# Altium PCB TempdevAmmy1207.PcbDoc (part 3 of 5)
Units mm, origin at the board's own origin, x right, y up, seen from the top; angles counter-clockwise.
Board outline 80.31 x 100.3 mm, 4 copper layers (Top Layer, S1, S2, Bottom Layer), stack 0.603 mm thick; 947 components, 585 nets, 3026 pads, 277 vias.
Unrouted connection lines stored in the file: 1675.
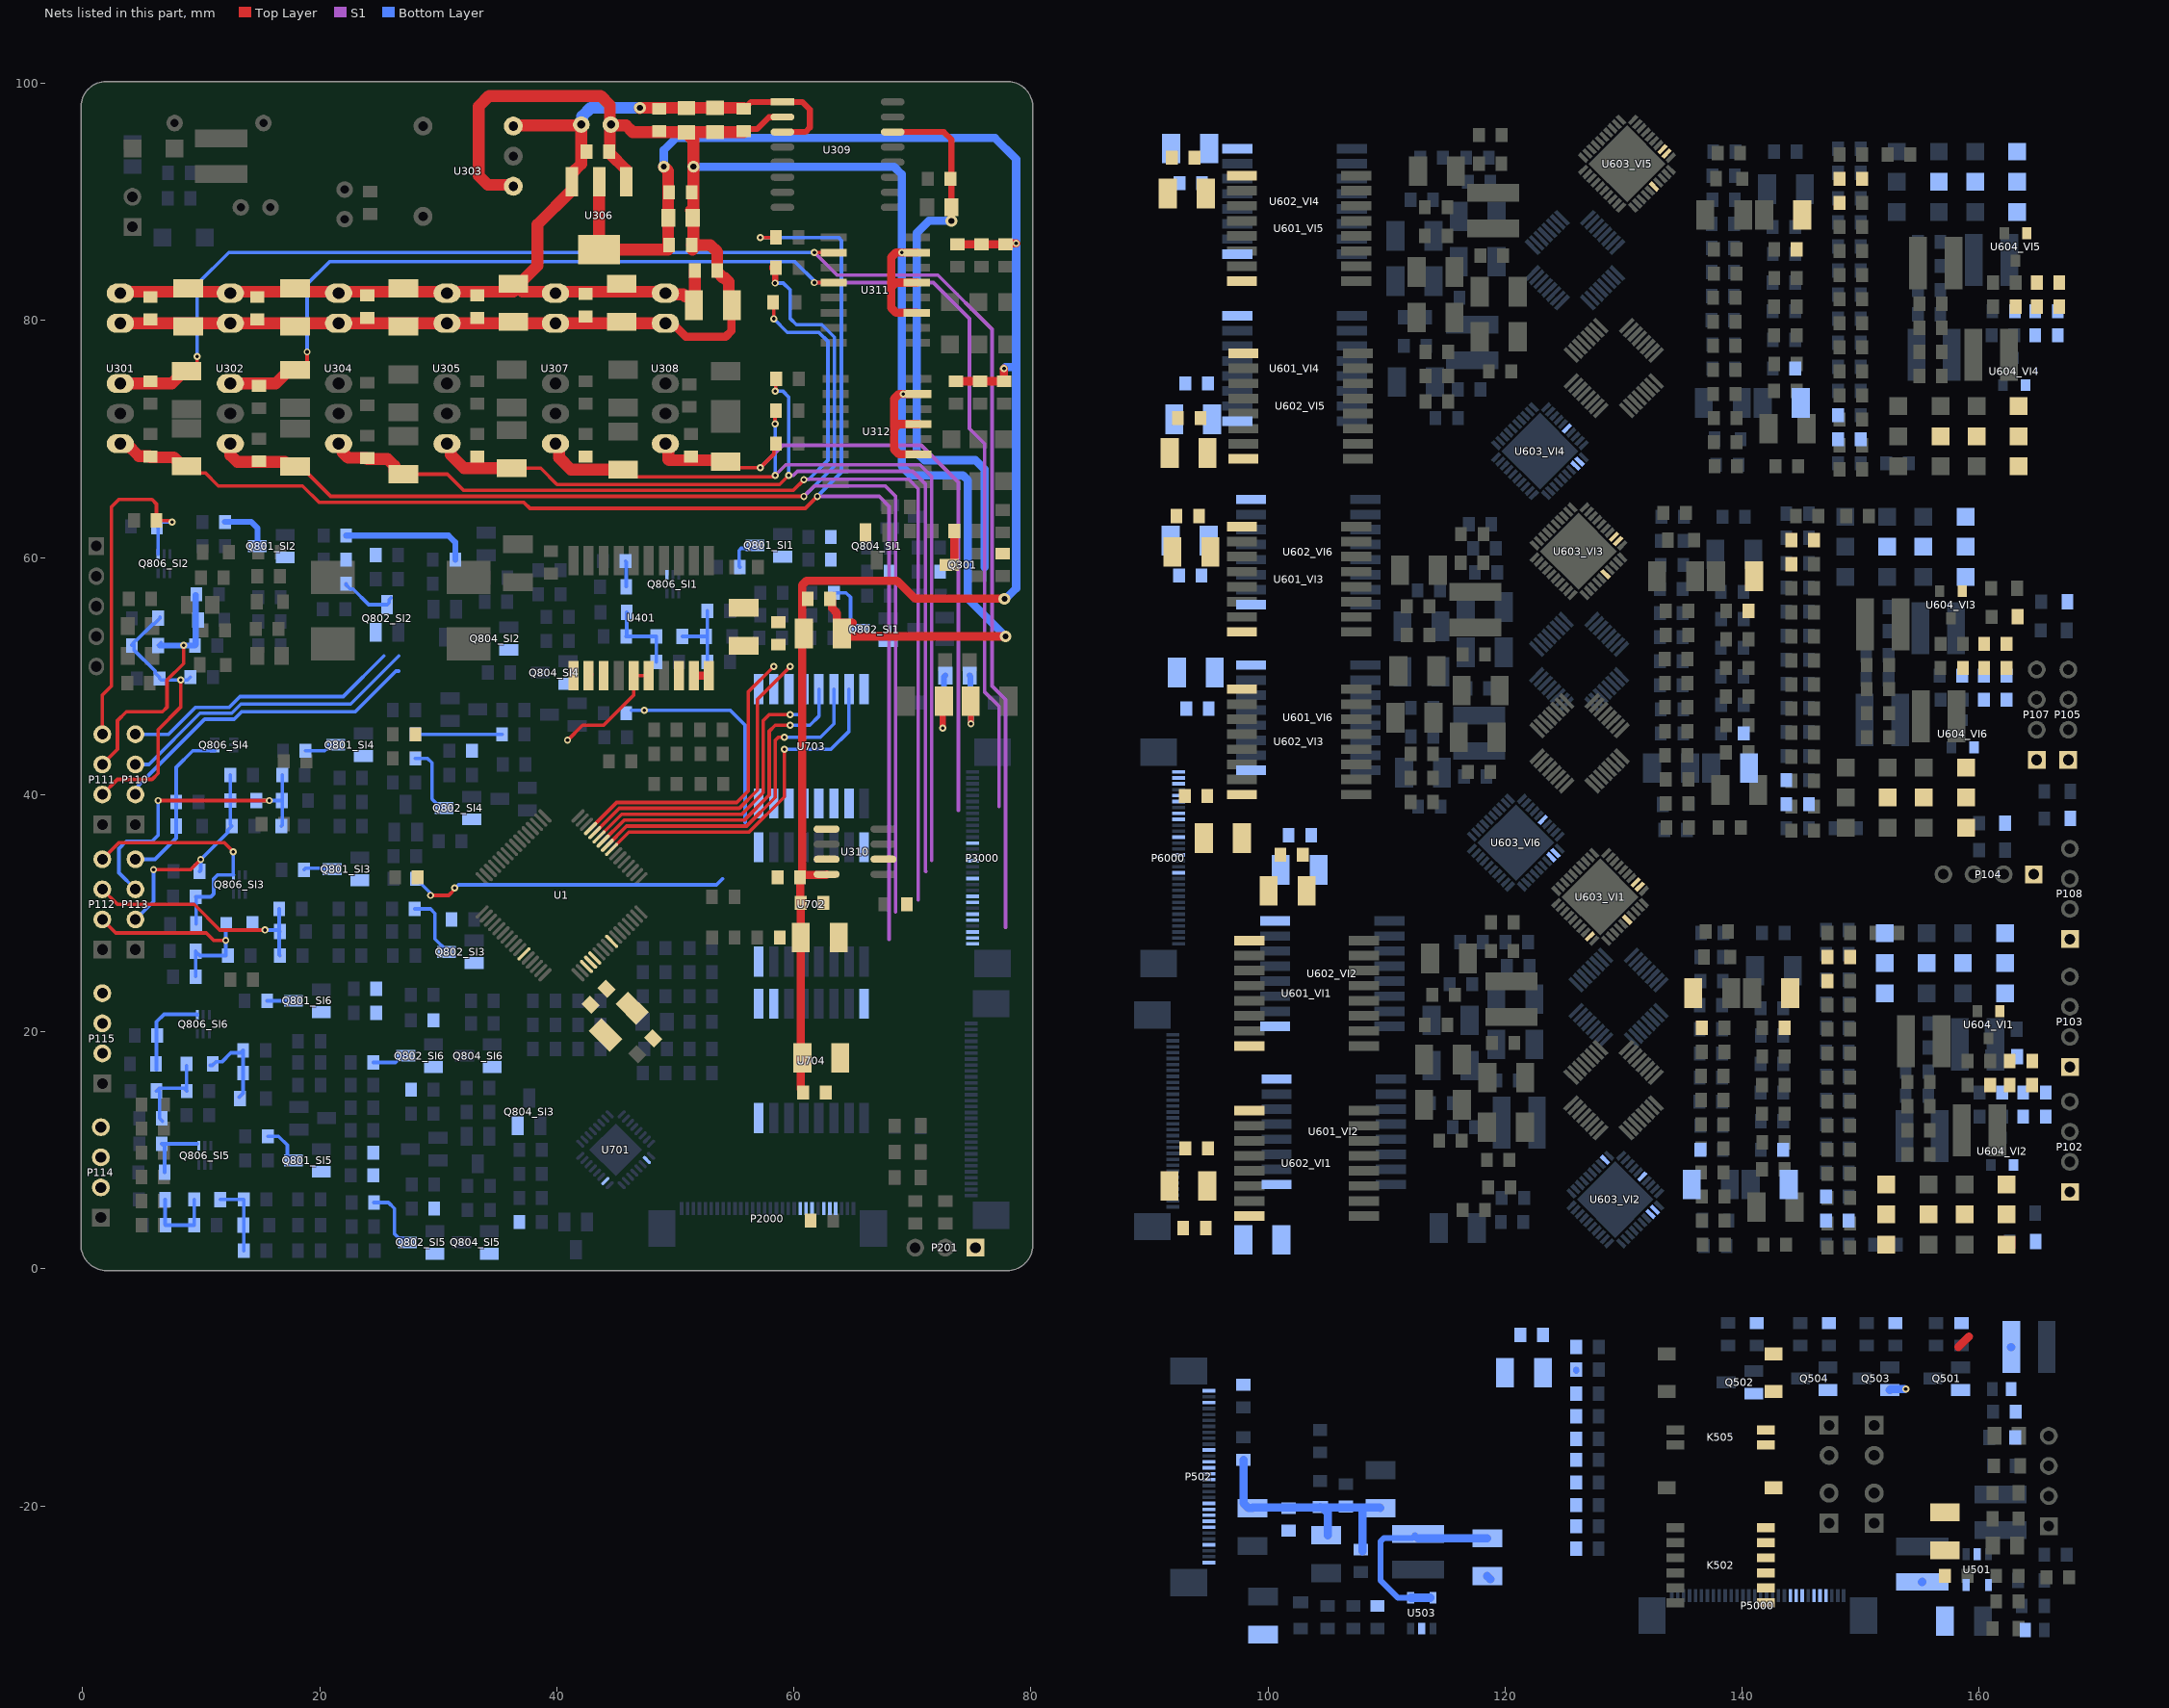
[diagram p4: the nets of this part, all layers, seen from the top]

## Footprints (in the part's own frame and the unit in brackets; to place one, negate y for a bottom-side part, rotate by r counter-clockwise, add the part's x,y. Pads: shape width x height; smd on the part's side, far side on the other; paste and mask are expansions set on the pad)
1.27-6P-TPHS [mil]
  rect 60x30 smd mask+2: 1(0,1.5) 2(0,-48.5) 3(0,-98.5) 4(0,-148.5) 5(0,-198.5) 6(0,-248.5) 7(300,-248.5) 8(300,-198.5) 9(300,-148.5) 10(300,-98.5) 11(300,-48.5) 12(300,1.5)
  silkscreen extent 44,-305 256,58
3-1734839-0 [mm]
  rect 0.3x1.1 smd: 1(1.64,1.778) 2(2.14,1.778) 3(2.64,1.778) 4(3.14,1.778) 5(3.64,1.778) 6(4.14,1.778) 7(4.64,1.778) 8(5.14,1.778) 9(5.64,1.778) 10(6.14,1.778) 11(6.64,1.778) 12(7.14,1.778) 13(7.64,1.778) 14(8.14,1.778) 15(8.64,1.778) 16(9.14,1.778) 17(9.64,1.778) 18(10.14,1.778) 19(10.64,1.778) 20(11.14,1.778) 21(11.64,1.778) 22(12.14,1.778) 23(12.64,1.778) 24(13.14,1.778) 25(13.64,1.778) 26(14.14,1.778) 27(14.64,1.778) 28(15.14,1.778) 29(15.64,1.778) 30(16.14,1.778)
  rect 2.3x3.1 smd: S1(-0.03,0.078) S2(17.81,0.078)
  silkscreen extent -1.33,-2.32 19.11,2.9, body extent -1.33,-2.95 19.1,2.16, height 2.1
10D470K [mm]
  round 1.4 hole 0.7: 1(-3.75,0) 2(3.75,0)
  silkscreen extent -6.5,-2.7 6.5,2.7
0603C [mm]
  rect 1x1.2 smd: 1(-0.95,0) 2(0.95,0)
  silkscreen extent -1.87,-0.9 1.87,0.9, body extent -0.8,-0.43 0.8,0.43, height 0.83
0603R [mm]
  rect 1x1.2 smd: 1(-0.95,0) 2(0.95,0)
  silkscreen extent -1.7,-0.9 1.7,0.9, body extent -0.8,-0.43 0.8,0.43, height 0.48
0805C [mm]
  rect 1.2x1.5 smd: 1(-1.016,0) 2(1.032,0)
  silkscreen extent -2.25,-1.14 2.25,1.14, body extent -1,-0.64 1,0.65, height 1.28
0805R [mm]
  rect 1.2x1.5 smd: 1(-1.016,0) 2(1.032,0)
  silkscreen extent -2.03,-1.14 2.03,1.14, body extent -1,-0.62 1,0.63, height 0.53
A_S-1WR3 [mm]
  oval 1.6x2.3 hole 1: 1(0,0) 2(2.54,0) 4(7.62,0) 5(10.16,0) 6(12.7,0)
  silkscreen extent -2.85,-5.6 17.9,1.7, body extent -2.46,-5.16 17.19,0.84, height 10.16
ACM1513-改版 [mm] "原封装引脚错了-改版将引脚更改"
  rect 3.7x2.8 smd: 1(0,0) 2(0,5.611) 3(11.468,5.611) 4(11.468,0)
  silkscreen extent -0.75,-2.54 12.19,8.26, body extent -1.79,-3.6 13.22,9.4, height 5.87
CB [mm]
  rect 2.5x1.524 smd: 1(0,0) 2(0,-3.2)
  silkscreen extent -1.78,-3.9 1.78,0.51, body extent -0.67,-3.12 0.93,0.08, height 1.6
CE-5*11(-) [mm]
  round 1 hole 0.5: 1(-1.25,0) 2(1.25,0)
  silkscreen extent -3.43,-2.6 3.05,2.6, body extent -2.6,-2.64 2.6,2.54, height 11.47
CE-6.3*11.5(-) [mm]
  round 1.4 hole 0.7: 1(-1.25,0) 2(1.25,0)
  silkscreen extent -4.06,-3.2 3.68,3.2, body extent -3.16,-3.15 3.15,3.15, height 11.51
CP-40-15(QFN40) [mm] "QFN, 40-Leads, Body 6.00x6.00mm, Pitch 0.50mm, Thermal Pad 4.60x4.60mm, IPC Low Density"
  rect 0.95x0.35 smd: 1(-2.975,2.25) 2(-2.975,1.75) 3(-2.975,1.25) 4(-2.975,0.75) 5(-2.975,0.25) 6(-2.975,-0.25) 7(-2.975,-0.75) 8(-2.975,-1.25) 9(-2.975,-1.75) 10(-2.975,-2.25) 21(2.975,-2.25) 22(2.975,-1.75) 23(2.975,-1.25) 24(2.975,-0.75) 25(2.975,-0.25) 26(2.975,0.25) 27(2.975,0.75) 28(2.975,1.25) 29(2.975,1.75) 30(2.975,2.25)
  rect 0.35x0.95 smd: 11(-2.25,-2.975) 12(-1.75,-2.975) 13(-1.25,-2.975) 14(-0.75,-2.975) 15(-0.25,-2.975) 16(0.25,-2.975) 17(0.75,-2.975) 18(1.25,-2.975) 19(1.75,-2.975) 20(2.25,-2.975) 31(2.25,2.975) 32(1.75,2.975) 33(1.25,2.975) 34(0.75,2.975) 35(0.25,2.975) 36(-0.25,2.975) 37(-0.75,2.975) 38(-1.25,2.975) 39(-1.75,2.975) 40(-2.25,2.975)
  rect 4.6x4.6 smd: 41(0,0)
  silkscreen extent -3.97,-3.2 3.2,3.2, body extent -3.1,-3.1 3.1,3.1, height 1
DSHP02TSGET [mil]
  rect 60x30 smd mask+2: 1(0,2.68) 2(0,-47.32) 3(300,-47.32) 4(300,2.68)
  silkscreen extent 44,-105 256,60
HDR1X2 [mm] "Connector; Header; 2 Position"
  rect 1.5x1.5 hole 0.9: 1(0,0)
  round 1.5 hole 0.9: 2(2.54,0)
  silkscreen extent -1.27,-1.27 3.81,1.27
HDR1X3 [mm] "Connector; Header; 3 Position"
  rect 1.5x1.5 hole 0.9: 1(0,0)
  round 1.5 hole 0.9: 2(2.54,0) 3(5.08,0)
  silkscreen extent -1.27,-1.27 6.35,1.27
HDR1X4 [mm]
  rect 1.5x1.5 hole 0.9: 1(0,0)
  round 1.5 hole 0.9: 2(2.54,0) 3(5.08,0) 4(7.62,0)
  silkscreen extent -1.27,-1.27 8.89,1.27, body extent -1.27,-1.27 8.89,1.27, height 8.89
HDR1X5 [mm] "Connector; Header; 5 Position"
  rect 1.5x1.3 hole 0.9: 1(0,0)
  oval 1.5x1.3 hole 0.9: 2(2.54,0) 3(5.08,0) 4(7.62,0) 5(10.16,0)
  silkscreen extent -1.27,-1.27 11.43,1.27
LED-3 [mm]
  rect 1.6x1.6 hole 0.9: 1(1.27,0)
  round 1.6 hole 0.9: 2(-1.27,0)
  silkscreen extent -2.2,-1.6 2.2,1.6
LQFP64S(12X12) [mm]
  oval 1.45x0.3 smd: 1(-5.725,3.75) 2(-5.725,3.25) 3(-5.725,2.75) 4(-5.725,2.25) 5(-5.725,1.75) 6(-5.725,1.25) 7(-5.725,0.75) 8(-5.725,0.25) 9(-5.725,-0.25) 10(-5.725,-0.75) 11(-5.725,-1.25) 12(-5.725,-1.75) 13(-5.725,-2.25) 14(-5.725,-2.75) 15(-5.725,-3.25) 16(-5.725,-3.75) 33(5.725,-3.75) 34(5.725,-3.25) 35(5.725,-2.75) 36(5.725,-2.25) 37(5.725,-1.75) 38(5.725,-1.25) 39(5.725,-0.75) 40(5.725,-0.25) 41(5.725,0.25) 42(5.725,0.75) 43(5.725,1.25) 44(5.725,1.75) 45(5.725,2.25) 46(5.725,2.75) 47(5.725,3.25) 48(5.725,3.75)
  oval 0.3x1.45 smd: 17(-3.75,-5.725) 18(-3.25,-5.725) 19(-2.75,-5.725) 20(-2.25,-5.725) 21(-1.75,-5.725) 22(-1.25,-5.725) 23(-0.75,-5.725) 24(-0.25,-5.725) 25(0.25,-5.725) 26(0.75,-5.725) 27(1.25,-5.725) 28(1.75,-5.725) 29(2.25,-5.725) 30(2.75,-5.725) 31(3.25,-5.725) 32(3.75,-5.725) 49(3.75,5.725) 50(3.25,5.725) 51(2.75,5.725) 52(2.25,5.725) 53(1.75,5.725) 54(1.25,5.725) 55(0.75,5.725) 56(0.25,5.725) 57(-0.25,5.725) 58(-0.75,5.725) 59(-1.25,5.725) 60(-1.75,5.725) 61(-2.25,5.725) 62(-2.75,5.725) 63(-3.25,5.725) 64(-3.75,5.725)
  silkscreen extent -5.85,-4.6 4.6,4.6, body extent -5,-5 5,5, height 1.6
S-PQFP-G32 [mm] "TSQFP, 32-Leads, Body 5.00x5.00mm, Pitch 0.50mm, IPC Low Density"
  rect 1.6x0.35 smd: 1(-3.3,1.75) 2(-3.3,1.25) 3(-3.3,0.75) 4(-3.3,0.25) 5(-3.3,-0.25) 6(-3.3,-0.75) 7(-3.3,-1.25) 8(-3.3,-1.75) 17(3.3,-1.75) 18(3.3,-1.25) 19(3.3,-0.75) 20(3.3,-0.25) 21(3.3,0.25) 22(3.3,0.75) 23(3.3,1.25) 24(3.3,1.75)
  rect 0.35x1.6 smd: 9(-1.75,-3.3) 10(-1.25,-3.3) 11(-0.75,-3.3) 12(-0.25,-3.3) 13(0.25,-3.3) 14(0.75,-3.3) 15(1.25,-3.3) 16(1.75,-3.3) 25(1.75,3.3) 26(1.25,3.3) 27(0.75,3.3) 28(0.25,3.3) 29(-0.25,3.3) 30(-0.75,3.3) 31(-1.25,3.3) 32(-1.75,3.3)
  silkscreen extent -3.42,-2.1 2.1,2.6, body extent -3.5,-3.5 3.5,3.5, height 1.2
SO-16 [mm]
  rect 2.2x0.65 smd: 1(0.056,0) 2(0.056,-1.27) 3(0.056,-2.54) 4(0.056,-3.81) 5(0.056,-5.08) 6(0.056,-6.35) 7(0.056,-7.62) 8(0.056,-8.89) 9(7.056,-8.89) 10(7.056,-7.62) 11(7.056,-6.35) 12(7.056,-5.08) 13(7.056,-3.81) 14(7.056,-2.54) 15(7.056,-1.27) 16(7.056,0)
  silkscreen extent -0.07,-9.74 5.56,1, body extent 0.57,-9.44 6.48,0.55, height 1.45
SOD123 [mm]
  rect 1.5x1.5 smd: 1(-1.778,0) 2(1.778,0)
  silkscreen extent -2.92,-1.14 3.05,1.14, body extent -1.95,-0.9 1.95,0.9, height 1.18
SOD323 [mm]
  rect 1x1.2 smd: 1(-1.1,0)
  rect 1x1.3 smd: 2(1.1,0)
  silkscreen extent -2.41,-1 2,1, body extent -1.43,-0.72 1.17,0.63, height 1.1
SOD523 [mm]
  rect 0.9x1.2 smd: 1(-0.8,0) 2(0.8,0)
  silkscreen extent -1.91,-0.8 1.3,0.8
SOIC-8 [mm]
  oval 2.2x0.6 smd: 1(-2.4,1.905) 2(-2.4,0.635) 3(-2.4,-0.635) 4(-2.4,-1.905) 5(2.4,-1.905) 6(2.4,-0.635) 7(2.4,0.635) 8(2.4,1.905)
  silkscreen extent -2.53,-2.5 0.9,2.88, body extent -2.87,-2.92 3.13,2.92, height 3.48
SOIC-16 [mm]
  rect 2.54x0.8 smd: 1(0,0) 2(0,-1.27) 3(0,-2.54) 4(0,-3.81) 5(0,-5.08) 6(0,-6.35) 7(0,-7.62) 8(0,-8.89) 9(9.65,-8.89) 10(9.65,-7.62) 11(9.65,-6.35) 12(9.65,-5.08) 13(9.65,-3.81) 14(9.65,-2.54) 15(9.65,-1.27) 16(9.65,0)
  silkscreen extent -0.12,-10.94 8.23,2.05, body extent -0.49,-9.7 10.14,0.8, height 2.72
SOIC-16(RI-16-2) [mm]
  rect 2.54x0.8 smd: 1(-4.825,4.445) 2(-4.825,3.175) 3(-4.825,1.905) 4(-4.825,0.635) 5(-4.825,-0.635) 6(-4.825,-1.905) 7(-4.825,-3.175) 8(-4.825,-4.445) 9(4.825,-4.445) 10(4.825,-3.175) 11(4.825,-1.905) 12(4.825,-0.635) 13(4.825,0.635) 14(4.825,1.905) 15(4.825,3.175) 16(4.825,4.445)
  silkscreen extent -4.95,-6.5 3.4,6.5, body extent -5.15,-6.5 5.15,6.5, height 2.64
SOIC-20-W [mm]
  rect 2.5x0.85 smd: 1(-0.024,0) 2(-0.024,-1.27) 3(-0.024,-2.54) 4(-0.024,-3.81) 5(-0.024,-5.08) 6(-0.024,-6.35) 7(-0.024,-7.62) 8(-0.024,-8.89) 9(-0.024,-10.16) 10(-0.024,-11.43) 11(9.676,-11.43) 12(9.676,-10.16) 13(9.676,-8.89) 14(9.676,-7.62) 15(9.676,-6.35) 16(9.676,-5.08) 17(9.676,-3.81) 18(9.676,-2.54) 19(9.676,-1.27) 20(9.676,0)
  silkscreen extent -0.15,-12.21 8.23,1, body extent -0.62,-12.21 10.01,0.78, height 2.66
SOP16-1.27(V2) [mm] "金升阳2"
  rect 2x0.6 smd: 1(0,0)
  oval 2x0.6 smd: 2(0,-1.27) 3(0,-2.54) 4(0,-3.81) 5(0,-5.08) 6(0,-6.35) 7(0,-7.62) 8(0,-8.89) 9(9.3,-8.89) 10(9.3,-7.62) 11(9.3,-6.35) 12(9.3,-5.08) 13(9.3,-3.81) 14(9.3,-2.54) 15(9.3,-1.27) 16(9.3,0)
  oval 0.7x0.5 on Top Overlay mask+0.051: ""(0.21,0.762)
  silkscreen extent 0.95,-9.74 8.35,0.78, body extent -0.74,-9.7 9.89,0.81, height 2.62
SOT563 [mm]
  rect 0.8x0.25 smd: 1(-0.038,-0.008) 2(-0.038,-0.508) 3(-0.038,-1.008) 4(1.562,-1.008) 5(1.562,-0.508) 6(1.562,-0.008)
  silkscreen extent -0.76,-1.65 2.29,1.14, body extent 0,-1.31 1.62,0.29, height 0.59
SOT-23 [mm] "MMSS8050"
  rect 1x1.6 smd: 1(0.955,2.335) 2(0,0) 3(1.91,0)
  silkscreen extent -0.5,0.14 2.42,2.34, body extent -0.58,-0.12 2.42,2.52, height 1.08
SOT-23(SS8050) [mm]
  rect 1x1.6 smd: 1(0,0) 2(1.91,0) 3(0.955,2.335)
  silkscreen extent -0.5,0.14 2.42,2.34, body extent -0.5,-0.14 2.5,2.5, height 1.08
SOT-23-5 [mm]
  rect 1x0.6 smd mask+0.051: 1(-0.202,0.701) 2(-0.202,1.651) 3(-0.202,2.601) 4(-2.802,2.601) 5(-2.802,0.701)
  silkscreen extent -2.4,-0.13 0.15,3.2, body extent -2.77,0.15 -0.27,3.15, height 1.15
SOT-223 [mm]
  rect 2.465x1.05 smd: 1(0,-2.3) 2(0,0) 3(0,2.3)
  rect 2.465x3.54 smd: 2(-5.715,0)
  silkscreen extent -4.25,-3.4 -1.46,3.4, body extent -6.27,-3.25 0.69,3.25, height 1.8
TI-RHB32-3150X3150TP_V [mm]
  oval 0.85x0.28 smd: 1(-2.475,1.75) 2(-2.475,1.25) 3(-2.475,0.75) 4(-2.475,0.25) 5(-2.475,-0.25) 6(-2.475,-0.75) 7(-2.475,-1.25) 8(-2.475,-1.75) 17(2.475,-1.75) 18(2.475,-1.25) 19(2.475,-0.75) 20(2.475,-0.25) 21(2.475,0.25) 22(2.475,0.75) 23(2.475,1.25) 24(2.475,1.75)
  oval 0.28x0.85 smd: 9(-1.75,-2.475) 10(-1.25,-2.475) 11(-0.75,-2.475) 12(-0.25,-2.475) 13(0.25,-2.475) 14(0.75,-2.475) 15(1.25,-2.475) 16(1.75,-2.475) 25(1.75,2.475) 26(1.25,2.475) 27(0.75,2.475) 28(0.25,2.475) 29(-0.25,2.475) 30(-0.75,2.475) 31(-1.25,2.475) 32(-1.75,2.475)
  rect 3.15x3.15 smd: 33(0,0)
  silkscreen extent -3.35,-2.58 2.58,2.57
TL431 [mm] "安邦AnBon"
  rect 0.8x1 smd mask+0.051: 1(-0.936,-1.11) 2(0.964,-1.11) 3(0.014,1.19)
  silkscreen extent -1.49,-0.66 1.51,0.74
TO-01 [mm] "2pin拨码"
  rect 1.5x1.1 smd mask+0.051: 1(-0.012,0.06) 2(8.988,0.06)
  silkscreen extent 1.39,-1.21 7.59,1.33
VSL4012 [mm]
  rect 4.4x1.5 smd: 1(0,1.5) 2(0,-1.5)
  silkscreen extent -2.5,-2.5 2.5,2.5, body extent -1.99,-2.12 1.99,1.86, height 1.2
WRB_SD-3WR2 [mm] "金升阳"
  round 1.6 hole 0.8: 1(0,0) 4(0,-7.62) 5(7.62,-7.62) 6(7.62,-5.08) 7(7.62,-2.54)
  silkscreen extent -3.44,-11.06 11.06,3.44, body extent -3.19,-10.81 10.81,3.19, height 9.2

## Part data
C201 C203 C303 C304 C307 C310 C311 C312 C313 C317 C320 C321 C324 C325 C326 C327 C332 C333 C336 C337 C340 C341 C342 C343 C348 C349 C351 C403 C404 C405 C406 C501 C504 C506 C508 C509 C510 C513 C514 C605_VI1 C605_VI2 C605_VI3 C605_VI4 C605_VI5 C605_VI6 C606_VI1 C606_VI2 C606_VI3 C606_VI4 C606_VI5 C606_VI6 C607_VI1 C607_VI2 C607_VI3 C607_VI4 C607_VI5 C607_VI6 C608_VI1 C608_VI2 C608_VI3 C608_VI4 C608_VI5 C608_VI6 C611_VI1 C611_VI2 C611_VI3 C611_VI4 C611_VI5 C611_VI6 C612_VI1 C612_VI2 C612_VI3 C612_VI4 C612_VI5 C612_VI6 C613_VI1 C613_VI2 C613_VI3 C613_VI4 C613_VI5 C613_VI6 C614_VI1 C614_VI2 C614_VI3 C614_VI4 C614_VI5 C614_VI6 C615_VI1 C615_VI2 C615_VI3 C615_VI4 C615_VI5 C615_VI6 C616_VI1 C616_VI2 C616_VI3 C616_VI4 C616_VI5 C616_VI6 C617_VI1 C617_VI2 C617_VI3 C617_VI4 C617_VI5 C617_VI6 C620_VI1 C620_VI2 C620_VI3 C620_VI4 C620_VI5 C620_VI6 C621_VI1 C621_VI2 C621_VI3 C621_VI4 C621_VI5 C621_VI6 C622_VI1 C622_VI2 C622_VI3 C622_VI4 C622_VI5 C622_VI6 C623_VI1 C623_VI2 C623_VI3 C623_VI4 C623_VI5 C623_VI6 C624_VI1 C624_VI2 C624_VI3 C624_VI4 C624_VI5 C624_VI6 C627_VI1 C627_VI2 C627_VI3 C627_VI4 C627_VI5 C627_VI6 C628_VI1 C628_VI2 C628_VI3 C628_VI4 C628_VI5 C628_VI6 C629_VI1 C629_VI2 C629_VI3 C629_VI4 C629_VI5 C629_VI6 C630_VI1 C630_VI2 C630_VI3 C630_VI4 C630_VI5 C630_VI6 C631_VI1 C631_VI2 C631_VI3 C631_VI4 C631_VI5 C631_VI6 C632_VI1 C632_VI2 C632_VI3 C632_VI4 C632_VI5 C632_VI6 C633_VI1 C633_VI2 C633_VI3 C633_VI4 C633_VI5 C633_VI6 C703 C704 C705 C706 C707 C708 C709 C710 C711 C712 C713 C715 C717 C719 C801_SI1 C801_SI2 C801_SI3 C801_SI4 C801_SI5 C801_SI6 C802_SI1 C802_SI2 C802_SI3 C802_SI4 C802_SI5 C802_SI6 C803_SI1 C803_SI2 C803_SI3 C803_SI4 C803_SI5 C803_SI6 C804_SI1 C804_SI2 C804_SI3 C804_SI4 C804_SI5 C804_SI6 C805_SI1 C805_SI2 C805_SI3 C805_SI4 C805_SI5 C805_SI6: library part Cap, "Capacitor"
  C303 C304 C307 C310 C311 C312 C313 C317 C320 C321 C324 C325 C326 C327 C332 C333 C336 C337 C340 C341 C342 C343 C348 C349 C351 C403 C404 C405 C406 C703 C704 C705 C706 C707 C708 C709 C710 C711 C712 C713 C715 C717 C719 C801_SI1 C801_SI2 C801_SI3 C801_SI4 C801_SI5 C801_SI6 C802_SI1 C802_SI2 C802_SI3 C802_SI4 C802_SI5 C802_SI6 C803_SI1 C803_SI2 C803_SI3 C803_SI4 C803_SI5 C803_SI6 C804_SI1 C804_SI2 C804_SI3 C804_SI4 C804_SI5 C804_SI6 C805_SI1 C805_SI2 C805_SI3 C805_SI4 C805_SI5 C805_SI6: LatestRevisionDate=17-Jul-2002, LatestRevisionNote="Re-released for DXP Platform.", PackageDescription="Radial Cap, Thru-Hole; 2 Leads; 0.3 in Pin Spacing", PackageReference=RAD-0.3, Published=8-Jun-2000, Publisher="Altium Limited"
  C605_VI1 C605_VI2 C605_VI3 C605_VI4 C605_VI5 C605_VI6 C606_VI1 C606_VI2 C606_VI3 C606_VI4 C606_VI5 C606_VI6 C607_VI1 C607_VI2 C607_VI3 C607_VI4 C607_VI5 C607_VI6 C608_VI1 C608_VI2 C608_VI3 C608_VI4 C608_VI5 C608_VI6 C611_VI1 C611_VI2 C611_VI3 C611_VI4 C611_VI5 C611_VI6 C612_VI1 C612_VI2 C612_VI3 C612_VI4 C612_VI5 C612_VI6 C620_VI1 C620_VI2 C620_VI3 C620_VI4 C620_VI5 C620_VI6 C621_VI1 C621_VI2 C621_VI3 C621_VI4 C621_VI5 C621_VI6 C627_VI1 C627_VI2 C627_VI3 C627_VI4 C627_VI5 C627_VI6 C628_VI1 C628_VI2 C628_VI3 C628_VI4 C628_VI5 C628_VI6: 厂家=国巨, 参数=104, 编号=C113803
  C613_VI1 C613_VI2 C613_VI3 C613_VI4 C613_VI5 C613_VI6 C615_VI1 C615_VI2 C615_VI3 C615_VI4 C615_VI5 C615_VI6: 厂家=国巨, 参数=2.2uF, 编号=C914769
  C614_VI1 C614_VI2 C614_VI3 C614_VI4 C614_VI5 C614_VI6 C633_VI1 C633_VI2 C633_VI3 C633_VI4 C633_VI5 C633_VI6: 厂家=国巨, 参数=22nF, 编号=C106222
  C616_VI1 C616_VI2 C616_VI3 C616_VI4 C616_VI5 C616_VI6 C622_VI1 C622_VI2 C622_VI3 C622_VI4 C622_VI5 C622_VI6 C623_VI1 C623_VI2 C623_VI3 C623_VI4 C623_VI5 C623_VI6: 参数=NC
  C617_VI1 C617_VI2 C617_VI3 C617_VI4 C617_VI5 C617_VI6: 厂家=国巨, 参数=4.7nF, 编号=C106218
  C624_VI1 C624_VI2 C624_VI3 C624_VI4 C624_VI5 C624_VI6: 厂家=国巨, 参数=300pF, 编号=C519478
  C629_VI1 C629_VI2 C629_VI3 C629_VI4 C629_VI5 C629_VI6: 厂家=国巨, 参数=150pF, 编号=C519499
  C630_VI1 C630_VI2 C630_VI3 C630_VI4 C630_VI5 C630_VI6 C632_VI1 C632_VI2 C632_VI3 C632_VI4 C632_VI5 C632_VI6: 厂家=国巨, 参数=1uF, 编号=C106248
  C631_VI1 C631_VI2 C631_VI3 C631_VI4 C631_VI5 C631_VI6: 厂家=国巨, 参数=4700pF, 编号=C2180916
C202 C301 C302 C305 C306 C308 C309 C314 C315 C316 C318 C319 C322 C323 C328 C329 C330 C331 C334 C335 C338 C339 C344 C345 C346 C347 C350 C401 C402 C502 C503 C505 C507 C511 C512 C515 C516 C601_VI1 C601_VI2 C601_VI3 C601_VI4 C601_VI5 C601_VI6 C602_VI1 C602_VI2 C602_VI3 C602_VI4 C602_VI5 C602_VI6 C603_VI1 C603_VI2 C603_VI3 C603_VI4 C603_VI5 C603_VI6 C604_VI1 C604_VI2 C604_VI3 C604_VI4 C604_VI5 C604_VI6 C609_VI1 C609_VI2 C609_VI3 C609_VI4 C609_VI5 C609_VI6 C610_VI1 C610_VI2 C610_VI3 C610_VI4 C610_VI5 C610_VI6 C618_VI1 C618_VI2 C618_VI3 C618_VI4 C618_VI5 C618_VI6 C619_VI1 C619_VI2 C619_VI3 C619_VI4 C619_VI5 C619_VI6 C625_VI1 C625_VI2 C625_VI3 C625_VI4 C625_VI5 C625_VI6 C626_VI1 C626_VI2 C626_VI3 C626_VI4 C626_VI5 C626_VI6 C701 C702 C714 C716 C718: library part "Cap Pol1", "Polarized Capacitor (Radial)", LatestRevisionDate=17-Jul-2002, LatestRevisionNote="Re-released for DXP Platform.", PackageDescription="Polarized Capacitor (Radial); 2 Leads", PackageReference=RB7.6-15, Published=8-Jun-2000, Publisher="Altium Limited"
D201 D202 D203 D204 D205 D206 D301 D302 D303 D304 D305 D306 D307 D308 D502 D507 D512 D513 D514 D604_VI1 D604_VI2 D604_VI3 D604_VI4 D604_VI5 D604_VI6 D605_VI1 D605_VI2 D605_VI3 D605_VI4 D605_VI5 D605_VI6 D606_VI1 D606_VI2 D606_VI3 D606_VI4 D606_VI5 D606_VI6 D607_VI1 D607_VI2 D607_VI3 D607_VI4 D607_VI5 D607_VI6 D608_VI1 D608_VI2 D608_VI3 D608_VI4 D608_VI5 D608_VI6 D609_VI1 D609_VI2 D609_VI3 D609_VI4 D609_VI5 D609_VI6: library part Diode, "Default Diode", Code_JEDEC=DO-214-AB, LatestRevisionDate=17-Jul-2002, LatestRevisionNote="Re-released for DXP Platform.", PackageDescription="DO-214-AB/SMC; 2 C-Bend Leads; Body 7.9 x 5.9 mm, inc. leads (LxW)", PackageReference=SMC, PackageVersion=Sep-1996, Published=8-Jun-2000, Publisher="Altium Limited"
D401 D402 D403 D501 D503 D504 D505 D506 D601_VI1 D601_VI2 D601_VI3 D601_VI4 D601_VI5 D601_VI6 D602_VI1 D602_VI2 D602_VI3 D602_VI4 D602_VI5 D602_VI6 D603_VI1 D603_VI2 D603_VI3 D603_VI4 D603_VI5 D603_VI6: library part "D Zener", "Zener Diode", LatestRevisionDate=17-Jul-2002, LatestRevisionNote="Re-released for DXP Platform.", PackageDescription="Diode, Thru-Hole; 2 Leads; 0.7 in Pin Spacing", PackageReference=DIODE-0.7, Published=8-Jun-2000, Publisher="Altium Limited"
D508 D509 D510 D511: library part LED2, "Typical RED, GREEN, YELLOW, AMBER GaAs LED", LatestRevisionDate=17-Jul-2002, LatestRevisionNote="Re-released for DXP Platform.", PackageDescription="SM LED; 2 Flat Leads", PackageReference=3.2X1.6X1.1, PackageVersion=Feb-2002, Published=8-Jun-2000, Publisher="Altium Limited"
D801_SI1 D801_SI2 D801_SI3 D801_SI4 D801_SI5 D801_SI6 D802_SI1 D802_SI2 D802_SI3 D802_SI4 D802_SI5 D802_SI6 D803_SI1 D803_SI2 D803_SI3 D803_SI4 D803_SI5 D803_SI6 D804_SI1 D804_SI2 D804_SI3 D804_SI4 D804_SI5 D804_SI6: library part "TVS DIODE"
F301: "Fuse", LatestRevisionDate=17-Jul-2002, LatestRevisionNote="Re-released for DXP Platform.", PackageDescription="Thru-Hole; 2 Leads", PackageReference=PIN-W2/E2.8, Published=8-Jun-2000, Publisher="Altium Limited"
K502: library part "Toggle switch-6P", "Toggle switch-6P"
L301 L501 L502 L503 L504 L601_VI1 L601_VI2 L601_VI3 L601_VI4 L601_VI5 L601_VI6 L602_VI1 L602_VI2 L602_VI3 L602_VI4 L602_VI5 L602_VI6 L603_VI1 L603_VI2 L603_VI3 L603_VI4 L603_VI5 L603_VI6 L701 L702: library part Inductor
MOV401 MOV402 PTC401 PTC402: library part "Res Varistor", Code_IPC=RESC2012, LatestRevisionDate=29-May-2009, LatestRevisionNote="IPC-7351 Footprint Added.", PackageDescription="Chip Resistor 0805 Case Size", PackageReference=6-0805, PackageVersion=Mar-2003, Published=24-Mar-1999, Publisher="Altium Limited"
NTC701 R303: library part "Res Varistor", "Varistor (Voltage-Sensitive Resistor)", Code_IPC=RESC2012, LatestRevisionDate=29-May-2009, LatestRevisionNote="IPC-7351 Footprint Added.", PackageDescription="Chip Resistor 0805 Case Size", PackageReference=6-0805, PackageVersion=Mar-2003, Published=24-Mar-1999, Publisher="Altium Limited"
P101: "Header, 2-Pin", LatestRevisionDate=17-Jul-2002, LatestRevisionNote="Re-released for DXP Platform.", Publisher="Altium Limited"
P102 P103 P104 P105 P107 P108 P110 P111 P112 P113 P114 P115 P501: "Header, 4-Pin", LatestRevisionDate=17-Jul-2002, LatestRevisionNote="Re-released for DXP Platform.", Publisher="Altium Limited"
P106: "Header, 5-Pin", LatestRevisionDate=17-Jul-2002, LatestRevisionNote="Re-released for DXP Platform.", Publisher="Altium Limited"
P201: "Header, 3-Pin", LatestRevisionDate=17-Jul-2002, LatestRevisionNote="Re-released for DXP Platform.", Publisher="Altium Limited"
P502: "CONN for SSD1351", 厂家=台湾灿达, 型号=F0501WR-S-30PDT1
Q301 Q501 Q502 Q503 Q504 Q803_SI1 Q803_SI2 Q803_SI3 Q803_SI4 Q803_SI5 Q803_SI6: library part NPN, "NPN Bipolar Transistor", Code_JEDEC=TO-226-AA, LatestRevisionDate=17-Jul-2002, LatestRevisionNote="Re-released for DXP Platform.", PackageDescription="TO, Flat Index; 3 In-Line, Axial Leads; Body Dia. 4.8mm; Leads 0.55 x 0.51 mm (max)", PackageReference=TO-226-AA, Published=8-Jun-2000, Publisher="Altium Limited"
Q801_SI1 Q801_SI2 Q801_SI3 Q801_SI4 Q801_SI5 Q801_SI6 Q802_SI1 Q802_SI2 Q802_SI3 Q802_SI4 Q802_SI5 Q802_SI6 Q804_SI1 Q804_SI2 Q804_SI3 Q804_SI4 Q804_SI5 Q804_SI6: library part PNP, "PNP Bipolar Transistor", LatestRevisionDate=29-May-2009, LatestRevisionNote="IPC-7351 Footprint Added.", PackageDescription="3-Pin SOT-23 Package 0.95 mm Pitch, 2.4 mm Lead Span", PackageReference=SOT-23B, PackageVersion=Aug-1999, Published=8-Jun-2000, Publisher="Altium Limited"
Q805_SI1 Q805_SI2 Q805_SI3 Q805_SI4 Q805_SI5 Q805_SI6: library part MOSFET-N, "N-Channel MOSFET", LatestRevisionDate=17-Jul-2002, LatestRevisionNote="Re-released for DXP Platform.", PackageDescription="TO, Flat Index; 3 In-Line, Axial Leads; Body Dia. 4.6mm; Lead Dia. 0.5 mm (max)", PackageReference=E3, PackageVersion=1995/1996, Published=8-Jun-2000, Publisher="Altium Limited"
R201 R202 R203 R204 R205 R206 R207 R208 R209 R210 R211 R212 R213 R301 R302 R304 R305 R306 R307 R308 R309 R310 R311 R312 R313 R314 R315 R316 R317 R318 R319 R320 R401 R402 R403 R404 R405 R501 R502 R503 R504 R505 R506 R507 R508 R509 R510 R511 R512 R513 R514 R515 R516 R517 R518 R519 R520 R521 R522 R523 R524 R525 R526 R527 R528 R529 R530 R601_VI1 R601_VI2 R601_VI3 R601_VI4 R601_VI5 R601_VI6 R602_VI1 R602_VI2 R602_VI3 R602_VI4 R602_VI5 R602_VI6 R603_VI1 R603_VI2 R603_VI3 R603_VI4 R603_VI5 R603_VI6 R604_VI1 R604_VI2 R604_VI3 R604_VI4 R604_VI5 R604_VI6 R605_VI1 R605_VI2 R605_VI3 R605_VI4 R605_VI5 R605_VI6 R606_VI1 R606_VI2 R606_VI3 R606_VI4 R606_VI5 R606_VI6 R608_VI1 R608_VI2 R608_VI3 R608_VI4 R608_VI5 R608_VI6 R609_VI1 R609_VI2 R609_VI3 R609_VI4 R609_VI5 R609_VI6 R610_VI1 R610_VI2 R610_VI3 R610_VI4 R610_VI5 R610_VI6 R611_VI1 R611_VI2 R611_VI3 R611_VI4 R611_VI5 R611_VI6 R612_VI1 R612_VI2 R612_VI3 R612_VI4 R612_VI5 R612_VI6 R613_VI1 R613_VI2 R613_VI3 R613_VI4 R613_VI5 R613_VI6 R614_VI1 R614_VI2 R614_VI3 R614_VI4 R614_VI5 R614_VI6 R615_VI1 R615_VI2 R615_VI3 R615_VI4 R615_VI5 R615_VI6 R616_VI1 R616_VI2 R616_VI3 R616_VI4 R616_VI5 R616_VI6 R617_VI1 R617_VI2 R617_VI3 R617_VI4 R617_VI5 R617_VI6 R618_VI1 R618_VI2 R618_VI3 R618_VI4 R618_VI5 R618_VI6 R619_VI1 R619_VI2 R619_VI3 R619_VI4 R619_VI5 R619_VI6 R620_VI1 R620_VI2 R620_VI3 R620_VI4 R620_VI5 R620_VI6 R621_VI1 R621_VI2 R621_VI3 R621_VI4 R621_VI5 R621_VI6 R622_VI1 R622_VI2 R622_VI3 R622_VI4 R622_VI5 R622_VI6 R623_VI1 R623_VI2 R623_VI3 R623_VI4 R623_VI5 R623_VI6 R624_VI1 R624_VI2 R624_VI3 R624_VI4 R624_VI5 R624_VI6 R625_VI1 R625_VI2 R625_VI3 R625_VI4 R625_VI5 R625_VI6 R626_VI1 R626_VI2 R626_VI3 R626_VI4 R626_VI5 R626_VI6 R627_VI1 R627_VI2 R627_VI3 R627_VI4 R627_VI5 R627_VI6 R628_VI1 R628_VI2 R628_VI3 R628_VI4 R628_VI5 R628_VI6 R629_VI1 R629_VI2 R629_VI3 R629_VI4 R629_VI5 R629_VI6 R701 R702 R703 R704 R705 R706 R707 R708 R801_SI1 R801_SI2 R801_SI3 R801_SI4 R801_SI5 R801_SI6 R802_SI1 R802_SI2 R802_SI3 R802_SI4 R802_SI5 R802_SI6 R803_SI1 R803_SI2 R803_SI3 R803_SI4 R803_SI5 R803_SI6 R804_SI1 R804_SI2 R804_SI3 R804_SI4 R804_SI5 R804_SI6 R805_SI1 R805_SI2 R805_SI3 R805_SI4 R805_SI5 R805_SI6 R806_SI1 R806_SI2 R806_SI3 R806_SI4 R806_SI5 R806_SI6 R807_SI1 R807_SI2 R807_SI3 R807_SI4 R807_SI5 R807_SI6 R808_SI1 R808_SI2 R808_SI3 R808_SI4 R808_SI5 R808_SI6 R809_SI1 R809_SI2 R809_SI3 R809_SI4 R809_SI5 R809_SI6 R810_SI1 R810_SI2 R810_SI3 R810_SI4 R810_SI5 R810_SI6 R811_SI1 R811_SI2 R811_SI3 R811_SI4 R811_SI5 R811_SI6 R812_SI1 R812_SI2 R812_SI3 R812_SI4 R812_SI5 R812_SI6 R813_SI1 R813_SI2 R813_SI3 R813_SI4 R813_SI5 R813_SI6 R814_SI1 R814_SI2 R814_SI3 R814_SI4 R814_SI5 R814_SI6 R815_SI1 R815_SI2 R815_SI3 R815_SI4 R815_SI5 R815_SI6 R816_SI1 R816_SI2 R816_SI3 R816_SI4 R816_SI5 R816_SI6 R817_SI1 R817_SI2 R817_SI3 R817_SI4 R817_SI5 R817_SI6 R818_SI1 R818_SI2 R818_SI3 R818_SI4 R818_SI5 R818_SI6 R819_SI1 R819_SI2 R819_SI3 R819_SI4 R819_SI5 R819_SI6: library part Res2, "Resistor"
  R201 R202 R203 R204 R205 R206 R207 R208 R209 R210 R211 R212 R213 R301 R302 R304 R305 R306 R307 R308 R309 R310 R311 R312 R313 R314 R315 R316 R317 R318 R319 R320 R401 R402 R403 R404 R405 R501 R502 R503 R504 R505 R506 R507 R508 R509 R510 R511 R512 R513 R514 R515 R516 R517 R518 R519 R520 R521 R522 R523 R524 R525 R526 R527 R528 R529 R530 R701 R702 R703 R704 R705 R706 R707 R708 R801_SI1 R801_SI2 R801_SI3 R801_SI4 R801_SI5 R801_SI6 R802_SI1 R802_SI2 R802_SI3 R802_SI4 R802_SI5 R802_SI6 R803_SI1 R803_SI2 R803_SI3 R803_SI4 R803_SI5 R803_SI6 R804_SI1 R804_SI2 R804_SI3 R804_SI4 R804_SI5 R804_SI6 R805_SI1 R805_SI2 R805_SI3 R805_SI4 R805_SI5 R805_SI6 R806_SI1 R806_SI2 R806_SI3 R806_SI4 R806_SI5 R806_SI6 R807_SI1 R807_SI2 R807_SI3 R807_SI4 R807_SI5 R807_SI6 R808_SI1 R808_SI2 R808_SI3 R808_SI4 R808_SI5 R808_SI6 R809_SI1 R809_SI2 R809_SI3 R809_SI4 R809_SI5 R809_SI6 R810_SI1 R810_SI2 R810_SI3 R810_SI4 R810_SI5 R810_SI6 R811_SI1 R811_SI2 R811_SI3 R811_SI4 R811_SI5 R811_SI6 R812_SI1 R812_SI2 R812_SI3 R812_SI4 R812_SI5 R812_SI6 R813_SI1 R813_SI2 R813_SI3 R813_SI4 R813_SI5 R813_SI6 R814_SI1 R814_SI2 R814_SI3 R814_SI4 R814_SI5 R814_SI6 R815_SI1 R815_SI2 R815_SI3 R815_SI4 R815_SI5 R815_SI6 R816_SI1 R816_SI2 R816_SI3 R816_SI4 R816_SI5 R816_SI6 R817_SI1 R817_SI2 R817_SI3 R817_SI4 R817_SI5 R817_SI6 R818_SI1 R818_SI2 R818_SI3 R818_SI4 R818_SI5 R818_SI6 R819_SI1 R819_SI2 R819_SI3 R819_SI4 R819_SI5 R819_SI6: LatestRevisionDate=17-Jul-2002, LatestRevisionNote="Re-released for DXP Platform.", PackageDescription="Axial Device, Thru-Hole; 2 Leads; 0.4 in Pin Spacing", PackageReference=AXIAL-0.4, Published=8-Jun-2000, Publisher="Altium Limited"
  R601_VI1 R601_VI2 R601_VI3 R601_VI4 R601_VI5 R601_VI6 R616_VI1 R616_VI2 R616_VI3 R616_VI4 R616_VI5 R616_VI6 R618_VI1 R618_VI2 R618_VI3 R618_VI4 R618_VI5 R618_VI6 R620_VI1 R620_VI2 R620_VI3 R620_VI4 R620_VI5 R620_VI6 R623_VI1 R623_VI2 R623_VI3 R623_VI4 R623_VI5 R623_VI6 R624_VI1 R624_VI2 R624_VI3 R624_VI4 R624_VI5 R624_VI6 R626_VI1 R626_VI2 R626_VI3 R626_VI4 R626_VI5 R626_VI6: 厂家=国巨, 参数=10K, 编号=C862388
  R602_VI1 R602_VI2 R602_VI3 R602_VI4 R602_VI5 R602_VI6 R604_VI1 R604_VI2 R604_VI3 R604_VI4 R604_VI5 R604_VI6 R605_VI1 R605_VI2 R605_VI3 R605_VI4 R605_VI5 R605_VI6 R613_VI1 R613_VI2 R613_VI3 R613_VI4 R613_VI5 R613_VI6 R614_VI1 R614_VI2 R614_VI3 R614_VI4 R614_VI5 R614_VI6 R617_VI1 R617_VI2 R617_VI3 R617_VI4 R617_VI5 R617_VI6 R619_VI1 R619_VI2 R619_VI3 R619_VI4 R619_VI5 R619_VI6 R621_VI1 R621_VI2 R621_VI3 R621_VI4 R621_VI5 R621_VI6 R622_VI1 R622_VI2 R622_VI3 R622_VI4 R622_VI5 R622_VI6 R625_VI1 R625_VI2 R625_VI3 R625_VI4 R625_VI5 R625_VI6: 厂家=国巨, 参数=0, 编号=C100044
  R603_VI1 R603_VI2 R603_VI3 R603_VI4 R603_VI5 R603_VI6: 厂家=国巨, 参数=13.7k, 编号=C861119
  R606_VI1 R606_VI2 R606_VI3 R606_VI4 R606_VI5 R606_VI6: 厂家=国巨, 参数=10Ω, 编号=C109318
  R608_VI1 R608_VI2 R608_VI3 R608_VI4 R608_VI5 R608_VI6 R609_VI1 R609_VI2 R609_VI3 R609_VI4 R609_VI5 R609_VI6 R610_VI1 R610_VI2 R610_VI3 R610_VI4 R610_VI5 R610_VI6 R611_VI1 R611_VI2 R611_VI3 R611_VI4 R611_VI5 R611_VI6: 厂家=国巨, 参数=1K, 编号=C110776
  R612_VI1 R612_VI2 R612_VI3 R612_VI4 R612_VI5 R612_VI6 R615_VI1 R615_VI2 R615_VI3 R615_VI4 R615_VI5 R615_VI6: 厂家=国巨, 参数=3k, 编号=C137628
  R627_VI1 R627_VI2 R627_VI3 R627_VI4 R627_VI5 R627_VI6: 厂家=国巨, 参数=150k, 编号=C115417
  R628_VI1 R628_VI2 R628_VI3 R628_VI4 R628_VI5 R628_VI6 R629_VI1 R629_VI2 R629_VI3 R629_VI4 R629_VI5 R629_VI6: 厂家=国巨, 参数=1.62M, 编号=C482643